# Altium PCB BMS-P00-V02.PcbDoc
Units mil, origin at the board's own origin, x right, y up, seen from the top; angles counter-clockwise.
Board outline 2629.92 x 5608.27 mil, 2 copper layers (Top Layer, Bottom Layer); 233 components, 131 nets, 740 pads, 0 vias.
Unrouted connection lines stored in the file: 455.
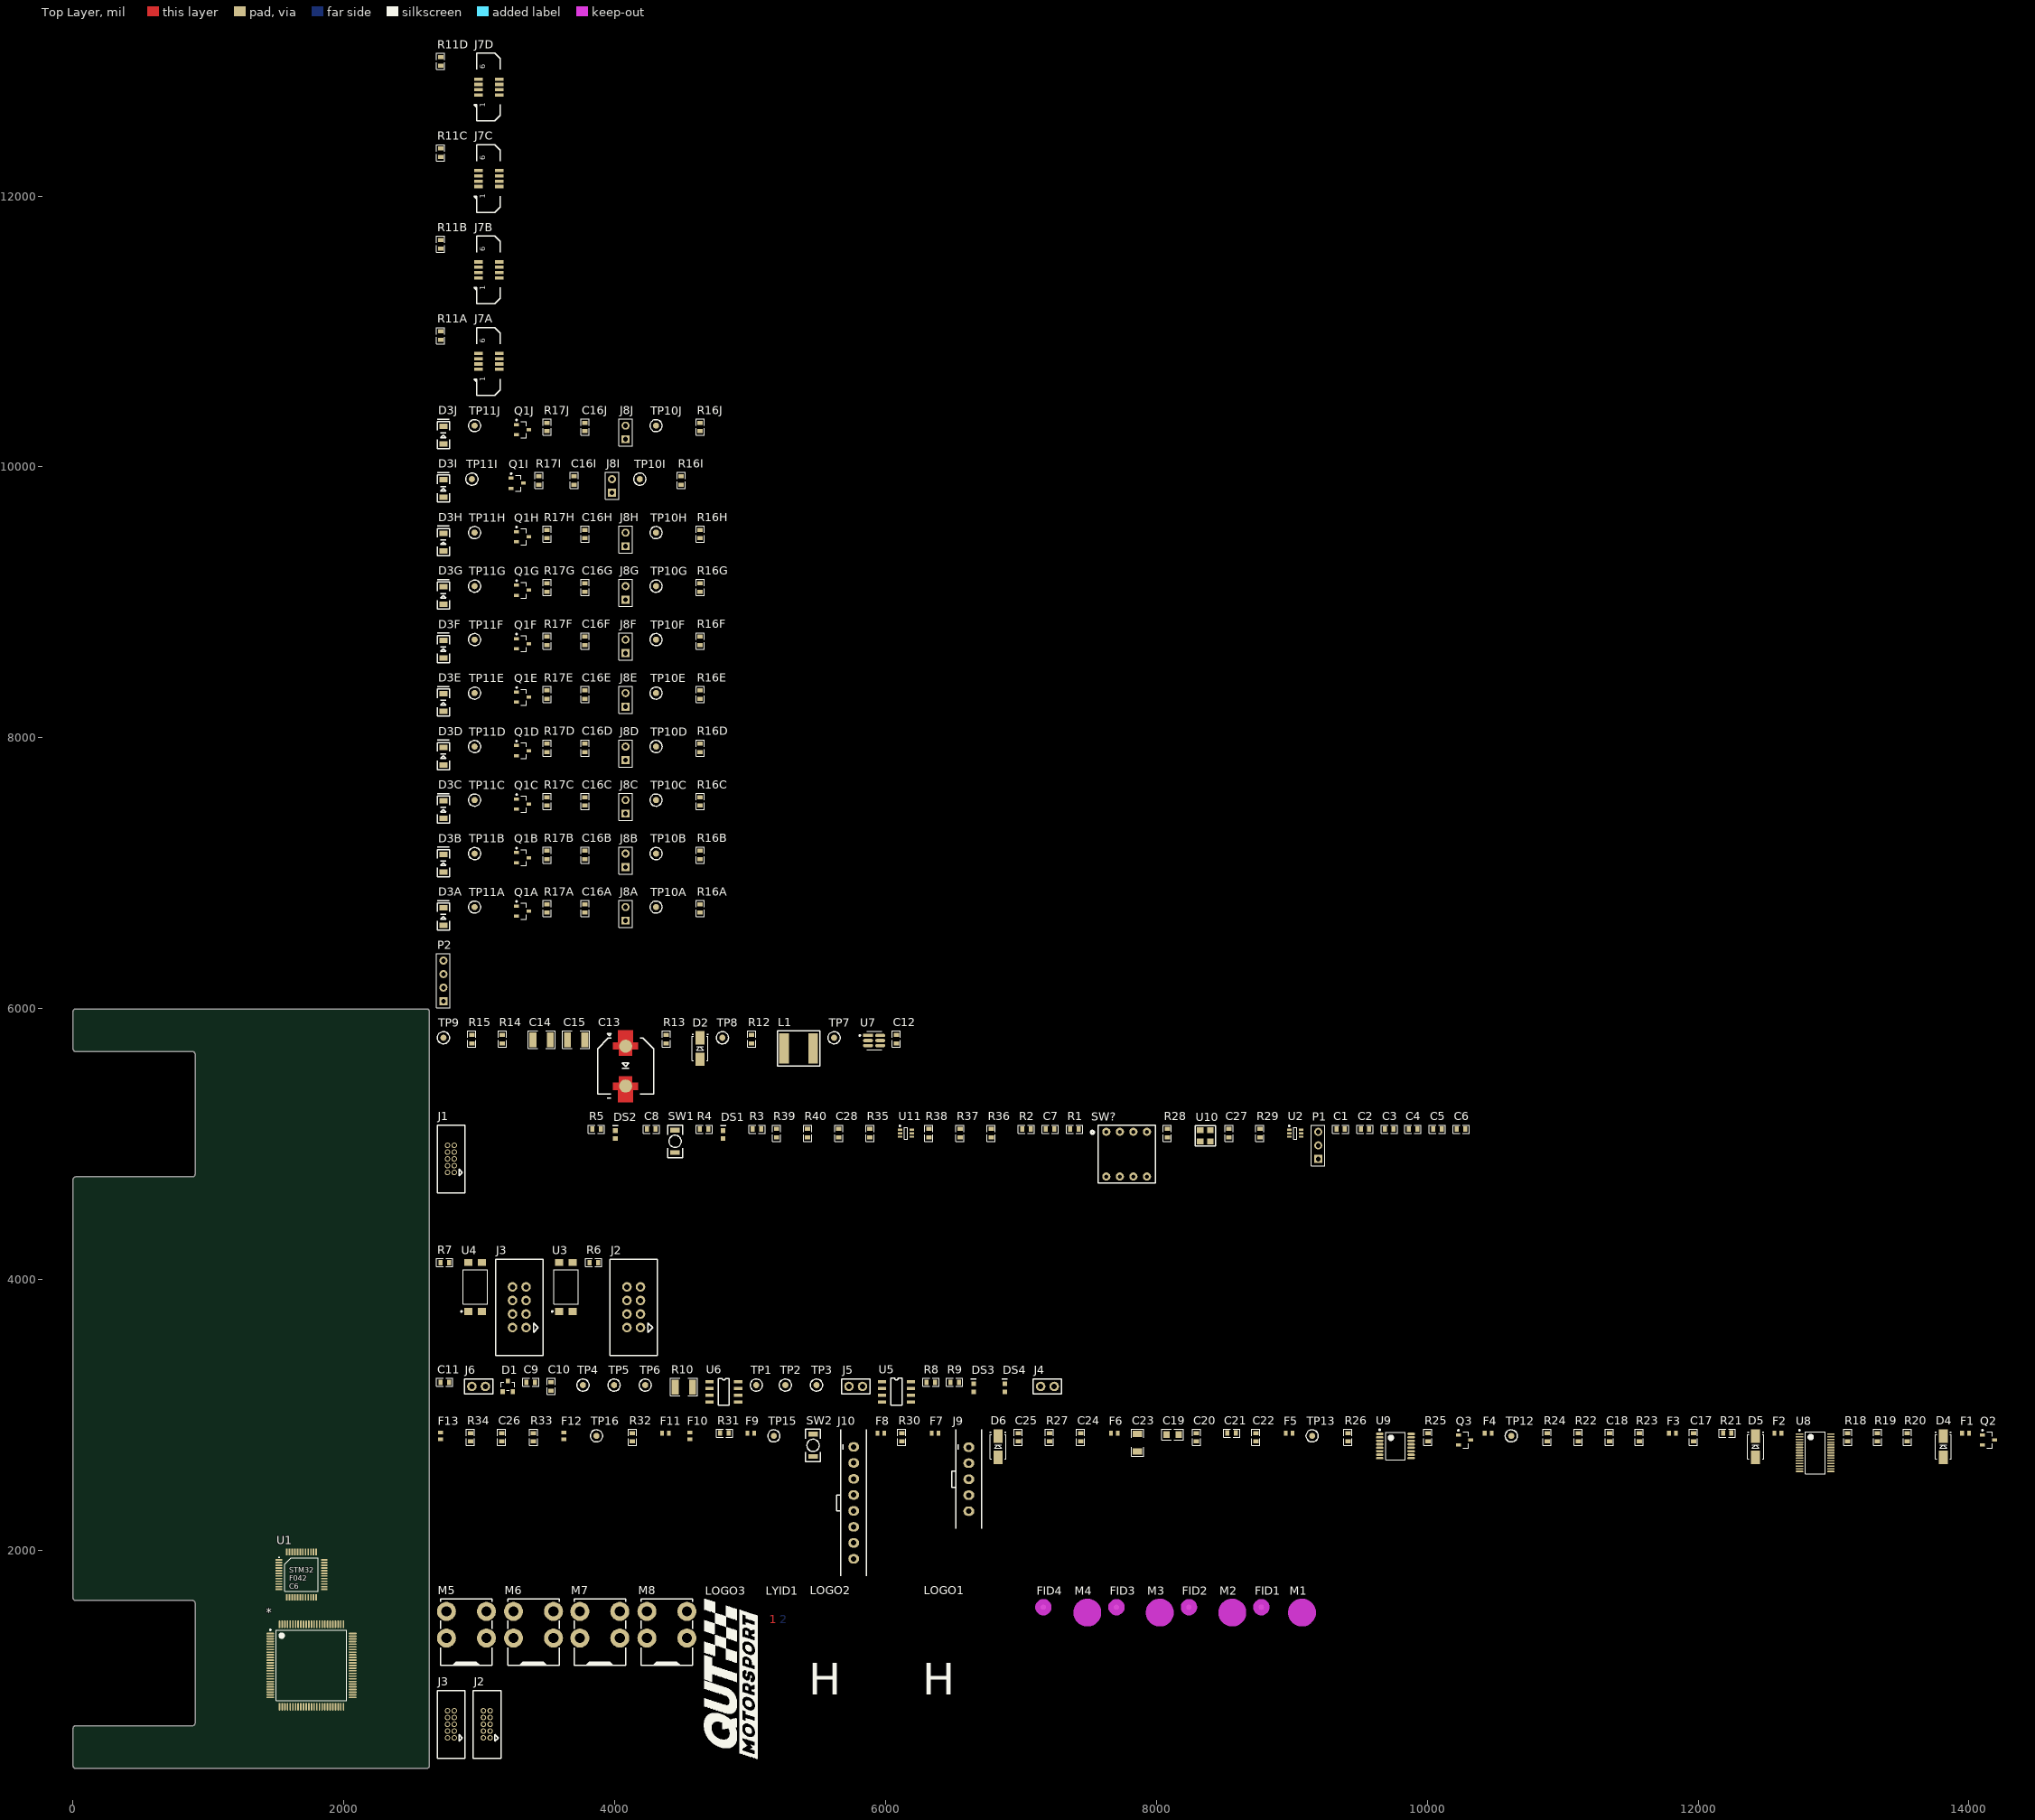
[diagram p0: Top Layer view]
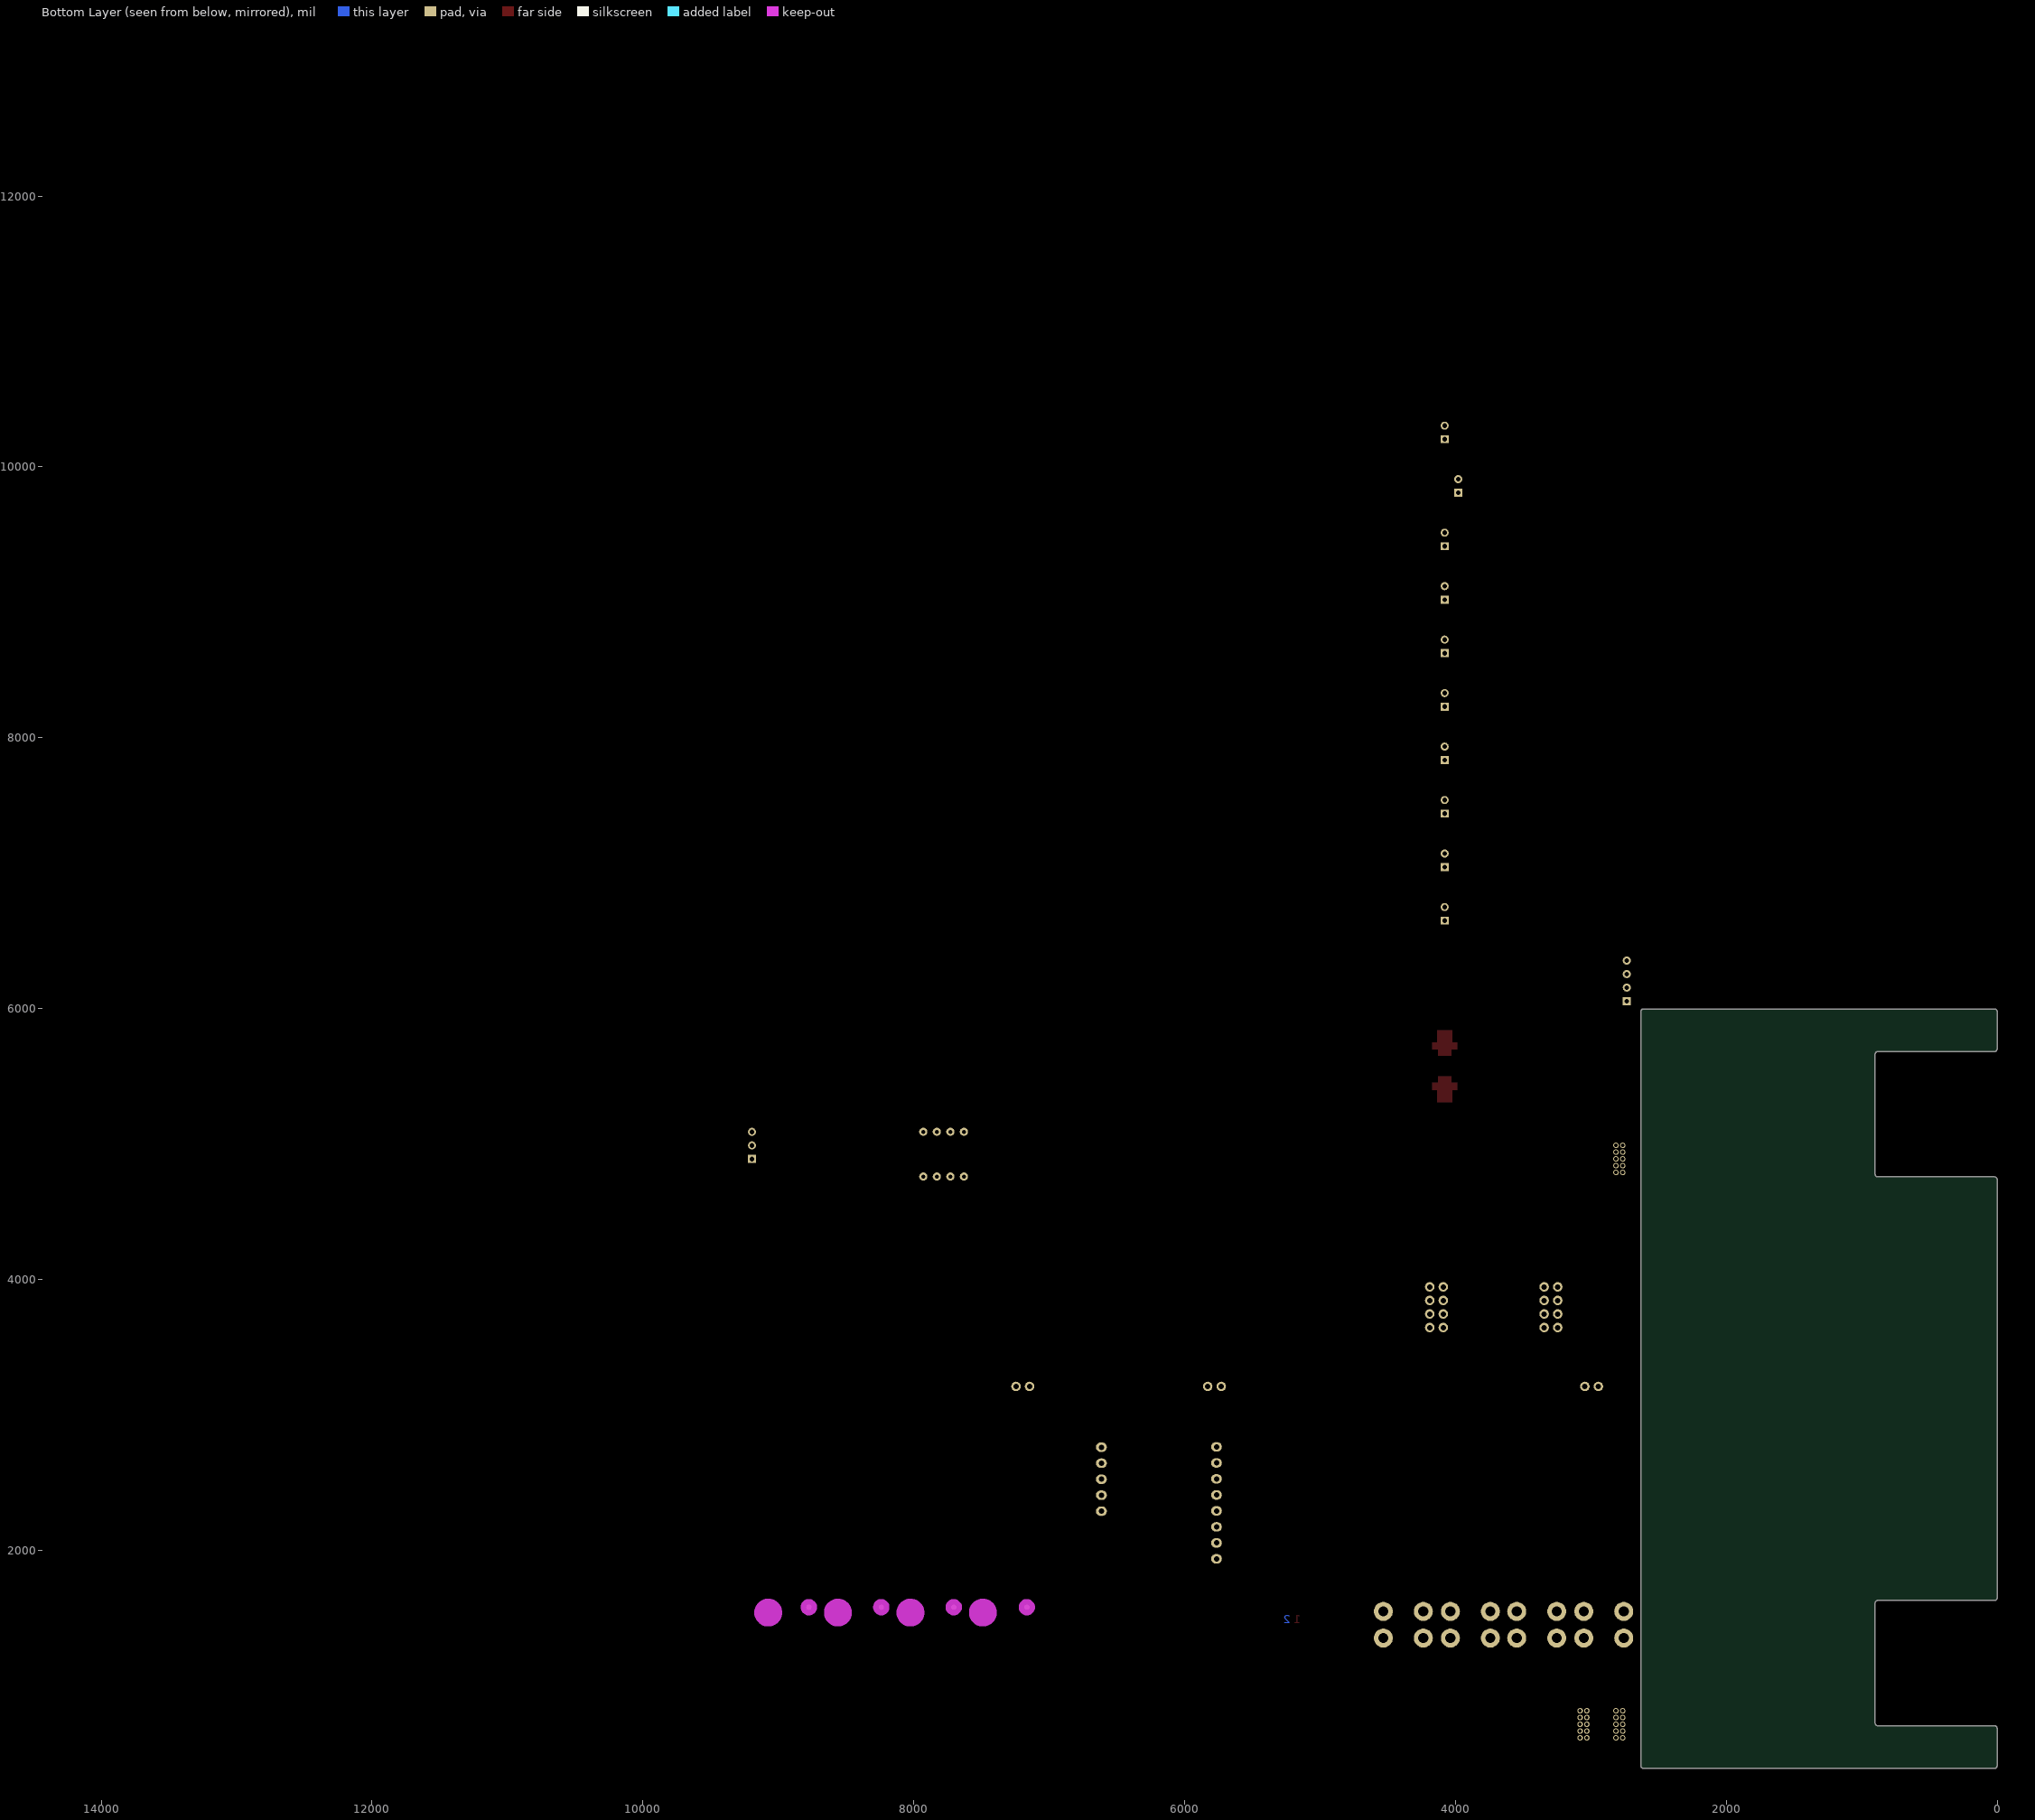
[diagram p1: Bottom Layer view, seen from below]

## Layer stack, top to bottom
Top Solder: solder mask 0.4, Solder Resist, Dk 3.5
Top Layer: signal copper 1.4
Dielectric 1: dielectric 12.6, FR-4, Dk 4.8
Bottom Layer: signal copper 1.4
Bottom Solder: solder mask 0.4, Solder Resist, Dk 3.5

## Board outline
20.18,389.5 cw(c20.18,409.19) 0.5,409.19 0.5,684.78 cw(c20.18,684.78) 20.18,704.46 881.75,704.46 ccw(c881.75,724.15) 901.44,724.15 901.44,1609.98 ccw(c881.75,1609.98) 881.75,1629.66 20.18,1629.66 cw(c20.18,1649.35) 0.5,1649.35 0.5,4737.93 cw(c20.18,4737.93) 20.18,4757.61 881.75,4757.61 ccw(c881.75,4777.3) 901.44,4777.3 901.44,5663.13 ccw(c881.75,5663.13) 881.75,5682.81 20.18,5682.81 cw(c20.18,5702.5) 0.5,5702.5 0.5,5978.09 cw(c20.18,5978.09) 20.18,5997.77 2610.74,5997.77 cw(c2610.74,5978.09) 2630.42,5978.09 2630.42,409.19 cw(c2610.74,409.19) 2610.74,389.5

## Design rules (kind name [scope] priority, off if disabled: settings)
Clearance [All] p1: gap=10 ignorepadtopadclearanceinfootprint=FALSE except(0: Arc-Hole Track-Hole SMDPad-Hole THPad-Hole Via-Hole Fill-Hole Poly-Hole Region-Hole Text-Hole)
PolygonConnect [All] p1: connectstyle=Relief reliefconductorwidth=10 reliefentries=4 polygonreliefangle="90 Angle" airgapwidth=10
RoutingVias [All] p1: holewidth=28 width=50 viastyle="Through Hole" minholewidth=28 minwidth=50 maxholewidth=28 maxwidth=50
SolderMaskExpansion [All] p1: expansion=4 istentingtop=FALSE
Width "Schematic Width Constraint_9" [InNet('NetJ8J_2')] p1: maxlimit=30 minlimit=15 preferedwidth=20 minimp=50.000000 maximp=50.000000 favimp=50.000000
Width "Schematic Width Constraint_8" [InNet('NetJ8H_2')] p2: maxlimit=30 minlimit=15 preferedwidth=20 minimp=50.000000 maximp=50.000000 favimp=50.000000
Width "Schematic Width Constraint_7" [InNet('NetJ8F_2')] p3: maxlimit=30 minlimit=15 preferedwidth=20 minimp=50.000000 maximp=50.000000 favimp=50.000000
Width "Schematic Width Constraint_6" [InNet('NetJ8I_2')] p4: maxlimit=30 minlimit=15 preferedwidth=20 minimp=50.000000 maximp=50.000000 favimp=50.000000
Width "Schematic Width Constraint_5" [InNet('NetJ8D_2')] p5: maxlimit=30 minlimit=15 preferedwidth=20 minimp=50.000000 maximp=50.000000 favimp=50.000000
Width "Schematic Width Constraint_4" [InNet('NetJ8G_2')] p6: maxlimit=30 minlimit=15 preferedwidth=20 minimp=50.000000 maximp=50.000000 favimp=50.000000
Width "Schematic Width Constraint_3" [InNet('NetJ8B_2')] p7: maxlimit=30 minlimit=15 preferedwidth=20 minimp=50.000000 maximp=50.000000 favimp=50.000000
Width "Schematic Width Constraint_2" [InNet('NetJ8E_2')] p8: maxlimit=30 minlimit=15 preferedwidth=20 minimp=50.000000 maximp=50.000000 favimp=50.000000
Width "Schematic Width Constraint_1" [InNet('NetJ8C_2')] p9: maxlimit=30 minlimit=15 preferedwidth=20 minimp=50.000000 maximp=50.000000 favimp=50.000000
Width "Schematic Width Constraint" [InNet('NetJ8A_2')] p10: maxlimit=30 minlimit=15 preferedwidth=20 minimp=50.000000 maximp=50.000000 favimp=50.000000
Width [All] p11: maxlimit=10 minlimit=10 preferedwidth=10
30 further rules are at their usual default settings.

## Classes and differential pairs
channel class BMS-S09-V01-TemperatureSensors: FlexPCBTempSensors1 FlexPCBTempSensors2 FlexPCBTempSensors3 FlexPCBTempSensors4
channel class BMS-S03-V01-CellInterface: "CELL 1 INTERFACE" "CELL 2 INTERFACE" "CELL 3 INTERFACE" "CELL 4 INTERFACE" "CELL 5 INTERFACE" "CELL 6 INTERFACE" "CELL 7 INTERFACE" "CELL 8 INTERFACE" "CELL 9 INTERFACE" "CELL 10 INTERFACE"
net class TEMP[1..4]: TEMP1 TEMP2 TEMP3 TEMP4
component class "Temperature Sensor Interface": P2
component class PSU: C12 C13 C14 C15 D2 L1 R12 R13 R14 R15 TP7 TP8 TP9 U7
component class Microcontroller: C1 C2 C3 C4 C5 C6 C7 C8 C27 C28 DS1 DS2 J1 J2 J3 P1 R1 R2 R3 R4 R5 R28 R29 R35 R36 R37 R38 R39 R40 SW1 SW? U1 U2 U10 U11
component class Isolation: J2 J3 R6 R7 U3 U4
component class "Isolated CAN": C9 C10 C11 D1 DS3 DS4 J4 J5 J6 R8 R9 R10 TP1 TP2 TP3 TP4 TP5 TP6 U5 U6
component class FlexPCBTempSensors4: J7D R11D
component class FlexPCBTempSensors3: J7C R11C
component class FlexPCBTempSensors2: J7B R11B
component class FlexPCBTempSensors1: J7A R11A
component class "Cell Monitor": C17 C18 C19 C20 C21 C22 C23 C24 C25 C26 D4 D5 D6 F1 F2 F3 F4 F5 F6 F7 F8 F9 F10 F11 F12 F13 J9 J10 Q2 Q3 R18 R19 R20 R21 R22 R23 R24 R25 R26 R27 R30 R31 R32 R33 R34 SW2 TP12 TP13 TP15 TP16 U8 U9
component class "CELL 10 INTERFACE": C16J D3J J8J Q1J R16J R17J TP10J TP11J
component class "CELL 9 INTERFACE": C16I D3I J8I Q1I R16I R17I TP10I TP11I
component class "CELL 8 INTERFACE": C16H D3H J8H Q1H R16H R17H TP10H TP11H
component class "CELL 7 INTERFACE": C16G D3G J8G Q1G R16G R17G TP10G TP11G
component class "CELL 6 INTERFACE": C16F D3F J8F Q1F R16F R17F TP10F TP11F
component class "CELL 5 INTERFACE": C16E D3E J8E Q1E R16E R17E TP10E TP11E
component class "CELL 4 INTERFACE": C16D D3D J8D Q1D R16D R17D TP10D TP11D
component class "CELL 3 INTERFACE": C16C D3C J8C Q1C R16C R17C TP10C TP11C
component class "CELL 2 INTERFACE": C16B D3B J8B Q1B R16B R17B TP10B TP11B
component class "CELL 1 INTERFACE": C16A D3A J8A Q1A R16A R17A TP10A TP11A
component class BMS-S01-V01-BatteryManagementSystem: * FID1 FID2 FID3 FID4 LOGO1 LOGO2 LOGO3 LYID1 M1 M2 M3 M4 M5 M6 M7 M8

## Components (designator, comment, footprint, x,y, rotation, side; value= is the part's Value field where it differs from the comment)
* "MCU STM32F372V8T6 (100pin)" LQFP(100) 1760.87,1149.37 r0 top
C1 "100nF" Cap_Ceramic_0603 9360,5110 r0 top
C2 "4u7" Cap_Ceramic_0603 9540,5110 r0 top
C3 "100nF" Cap_Ceramic_0603 9720,5110 r0 top
C4 "4u7" Cap_Ceramic_0603 9895,5110 r0 top
C5 "100nF" Cap_Ceramic_0603 10075,5110 r0 top
C6 "4u7" Cap_Ceramic_0603 10250,5110 r0 top
C7 "100nF" Cap_Ceramic_0603 7215,5110 r0 top
C8 "100nF" Cap_Ceramic_0603 4270,5110 r0 top
C9 "100nF" Cap_Ceramic_0603 3380,3240 r0 top
C10 "100nF" Cap_Ceramic_0603 3530,3210 r90 top
C11 "100nF" Cap_Ceramic_0603 2745,3240 r0 top
C12 "100nF 100V" Cap_Ceramic_0603 6080,5775 r90 top
C13 "47uF 80V 10% AluPoly 10x10mm" CAP_ALU_10x10mm 4080,5575 r90 top
C14 "47uF 16V" Cap_Ceramic_1210 3460,5770 r0 top
C15 "47uF 16V" Cap_Ceramic_1210 3715,5770 r0 top
C16A "220nF" Cap_Ceramic_0603 3780,6740 r90 top (schematic designator C16)
C16B "220nF" Cap_Ceramic_0603 3780,7135 r90 top (schematic designator C16)
C16C "220nF" Cap_Ceramic_0603 3780,7530 r90 top (schematic designator C16)
C16D "220nF" Cap_Ceramic_0603 3780,7925 r90 top (schematic designator C16)
C16E "220nF" Cap_Ceramic_0603 3780,8320 r90 top (schematic designator C16)
C16F "220nF" Cap_Ceramic_0603 3780,8715 r90 top (schematic designator C16)
C16G "220nF" Cap_Ceramic_0603 3780,9110 r90 top (schematic designator C16)
C16H "220nF" Cap_Ceramic_0603 3780,9505 r90 top (schematic designator C16)
C16I "220nF" Cap_Ceramic_0603 3700,9900 r90 top (schematic designator C16)
C16J "220nF" Cap_Ceramic_0603 3780,10295 r90 top (schematic designator C16)
C17 "220nF" Cap_Ceramic_0603 11965,2835 r90 top
C18 "1uF 25V" Cap_Ceramic_0603 11345,2835 r90 top
C19 "10uF 25V 0805" Cap_Ceramic_0805 8120,2855 r0 top
C20 "220nF" Cap_Ceramic_0603 8295,2835 r90 top
C21 "1uF 25V" Cap_Ceramic_0603 8555,2865 r0 top
C22 "470nF" Cap_Ceramic_0603 8735,2835 r90 top
C23 "10uF 25V 1206" Cap_Ceramic_1206 7860,2795 r90 top
C24 "1uF 25V" Cap_Ceramic_0603 7440,2835 r90 top
C25 "220nF" Cap_Ceramic_0603 6980,2835 r90 top
C26 "220nF" Cap_Ceramic_0603 3165,2835 r90 top
C27 "100nF" Cap_Ceramic_0603 8535,5080 r90 top
C28 "100nF" Cap_Ceramic_0603 5655,5080 r90 top
D1 "NUP2105L" NUP2105L 3210,3210 r0 top
D2 "B260A-13-F" SMA 4630,5705 r90 top
D3A "BZT52C5V6-7-F" SOD123 2735,6680 r90 top (schematic designator D3)
D3B "BZT52C5V6-7-F" SOD123 2735,7075 r90 top (schematic designator D3)
D3C "BZT52C5V6-7-F" SOD123 2735,7470 r90 top (schematic designator D3)
D3D "BZT52C5V6-7-F" SOD123 2735,7865 r90 top (schematic designator D3)
D3E "BZT52C5V6-7-F" SOD123 2735,8260 r90 top (schematic designator D3)
D3F "BZT52C5V6-7-F" SOD123 2735,8655 r90 top (schematic designator D3)
D3G "BZT52C5V6-7-F" SOD123 2735,9050 r90 top (schematic designator D3)
D3H "BZT52C5V6-7-F" SOD123 2735,9445 r90 top (schematic designator D3)
D3I "BZT52C5V6-7-F" SOD123 2735,9840 r90 top (schematic designator D3)
D3J "BZT52C5V6-7-F" SOD123 2735,10235 r90 top (schematic designator D3)
D4 "1N4448WQ-7-F" SMA 13810,2765 r90 top
D5 "1N4448WQ-7-F" SMA 12425,2765 r90 top
D6 "1N4448WQ-7-F" SMA 6830,2765 r90 top
DS1 "LED Orange" "LED ORANGE 0603" 4800,5070 r90 top
DS2 "LED Orange" "LED ORANGE 0603" 4005,5070 r90 top
DS3 "LED Blue 0603" "LED BLUE 0603" 6650,3200 r90 top
DS4 "LED Blue 0603" "LED BLUE 0603" 6880,3200 r90 top
F1 "3412.0124.22" 3412.0124.22 13975,2865 r0 top
F2 "3412.0124.22" 3412.0124.22 12590,2865 r0 top
F3 "3412.0124.22" 3412.0124.22 11810,2865 r0 top
F4 "3412.0124.22" 3412.0124.22 10450,2865 r0 top
F5 "3412.0124.22" 3412.0124.22 8980,2865 r0 top
F6 "3412.0124.22" 3412.0124.22 7690,2865 r0 top
F7 "3412.0124.22" 3412.0124.22 6365,2865 r0 top
F8 "3412.0124.22" 3412.0124.22 5965,2865 r0 top
F9 "3412.0124.22" 3412.0124.22 5005,2865 r0 top
F10 "3412.0124.22" 3412.0124.22 4555,2845 r90 top
F11 "3412.0124.22" 3412.0124.22 4375,2865 r0 top
F12 "3412.0124.22" 3412.0124.22 3625,2845 r90 top
F13 "3412.0124.22" 3412.0124.22 2715,2845 r90 top
FID1 "Fiducial 1MM" "FIDUCIAL 1MM" 8775,1580 r0 top
FID2 "Fiducial 1MM" "FIDUCIAL 1MM" 8240,1580 r90 top
FID3 "Fiducial 1MM" "FIDUCIAL 1MM" 7705,1580 r90 top
FID4 "Fiducial 1MM" "FIDUCIAL 1MM" 7165,1580 r90 top
J1 "IDC 10P 2x5 1.27mm" "IDC 1.27MM 10P" 2790,4890 r90 top
J2 "IDC 10P 2x5 1.27mm" "IDC 1.27MM 10P" 3055,715 r90 top
J2 "IDC 8P 2x4" "IDC 2.54MM 8P" 4140,3795 r90 top
J3 "IDC 10P 2x5 1.27mm" "IDC 1.27MM 10P" 2790,715 r90 top
J3 "IDC 8P 2x4" "IDC 2.54MM 8P" 3295,3795 r90 top
J4 "Jumper 2Way Pins" Jumper_2Way_Pin 7245,3210 r0 top
J5 "Jumper 2Way Pins" Jumper_2Way_Pin 5830,3210 r0 top
J6 "Jumper 2Way Pins" Jumper_2Way_Pin 3045,3210 r0 top
J7A "0526100672" 526100672 3070,10780 r90 top (schematic designator J7)
J7B "0526100672" 526100672 3070,11455 r90 top (schematic designator J7)
J7C "0526100672" 526100672 3070,12130 r90 top (schematic designator J7)
J7D "0526100672" 526100672 3070,12805 r90 top (schematic designator J7)
J8A "Bleed Header" HDR1X2 4080,6650 r90 top (schematic designator J8)
J8B "Bleed Header" HDR1X2 4080,7045 r90 top (schematic designator J8)
J8C "Bleed Header" HDR1X2 4080,7440 r90 top (schematic designator J8)
J8D "Bleed Header" HDR1X2 4080,7835 r90 top (schematic designator J8)
J8E "Bleed Header" HDR1X2 4080,8230 r90 top (schematic designator J8)
J8F "Bleed Header" HDR1X2 4080,8625 r90 top (schematic designator J8)
J8G "Bleed Header" HDR1X2 4080,9020 r90 top (schematic designator J8)
J8H "Bleed Header" HDR1X2 4080,9415 r90 top (schematic designator J8)
J8I "Bleed Header" HDR1X2 3980,9810 r90 top (schematic designator J8)
J8J "Bleed Header" HDR1X2 4080,10205 r90 top (schematic designator J8)
J9 "436500519" Microfit_1X5_V_TH 6615,2525 r90 top
J10 "436500819" Microfit_1X8_V_TH 5765,2350 r90 top
L1 "74404064221" Inductor_6x6mm 5355,5705 r0 top
LOGO1 "LBL High Voltage M" "LBL HV MEDIUM" 6665,1250 r0 top
LOGO2 "LBL High Voltage M" "LBL HV MEDIUM" 5825,1250 r0 top
LOGO3 "30mm Wide QUTMS Logo" "QUTMS LOGO 30MM" 5055,460 r90 top
LYID1 "2 Layer Identification PCB Marker" "LAYER IDENT 2" 5195,1490 r0 top
M1 "Hole M3 Tight Unplated" "M3.2 UNPLATED" 9075,1540 r0 top
M2 "Hole M3 Tight Unplated" "M3.2 UNPLATED" 8560,1540 r0 top
M3 "Hole M3 Tight Unplated" "M3.2 UNPLATED" 8025,1540 r0 top
M4 "Hole M3 Tight Unplated" "M3.2 UNPLATED" 7490,1540 r0 top
M5 "7695-2" "Keystone 7790" 2905,1450 r0 top
M6 "7695-2" "Keystone 7790" 3400,1450 r0 top
M7 "7695-2" "Keystone 7790" 3890,1450 r0 top
M8 "7695-2" "Keystone 7790" 4385,1450 r0 top
P1 "UART" HDR1X3 9195,4890 r90 top
P2 "Header 4" HDR1X4 2735,6055 r90 top
Q1A "MOSFET N" PMV15UNEAR 3320,6720 r0 top (schematic designator Q1)
Q1B "MOSFET N" PMV15UNEAR 3320,7115 r0 top (schematic designator Q1)
Q1C "MOSFET N" PMV15UNEAR 3320,7510 r0 top (schematic designator Q1)
Q1D "MOSFET N" PMV15UNEAR 3320,7905 r0 top (schematic designator Q1)
Q1E "MOSFET N" PMV15UNEAR 3320,8300 r0 top (schematic designator Q1)
Q1F "MOSFET N" PMV15UNEAR 3320,8695 r0 top (schematic designator Q1)
Q1G "MOSFET N" PMV15UNEAR 3320,9090 r0 top (schematic designator Q1)
Q1H "MOSFET N" PMV15UNEAR 3320,9485 r0 top (schematic designator Q1)
Q1I "MOSFET N" PMV15UNEAR 3280,9880 r0 top (schematic designator Q1)
Q1J "MOSFET N" PMV15UNEAR 3320,10275 r0 top (schematic designator Q1)
Q2 "BST82,215" BST82,215 14145,2815 r0 top
Q3 "BST82,215" BST82,215 10275,2815 r0 top
R1 "10k" Res_ThinFilm_0603 7395,5110 r0 top
R2 "10k" Res_ThinFilm_0603 7040,5110 r0 top
R3 "4k7" Res_ThinFilm_0603 5050,5110 r0 top
R4 "330R" Res_ThinFilm_0603 4660,5110 r0 top
R5 "330R" Res_ThinFilm_0603 3865,5110 r0 top
R6 "100R" Res_ThinFilm_0603 3845,4125 r0 top
R7 "150R" Res_ThinFilm_0603 2745,4125 r0 top
R8 "330R" Res_ThinFilm_0603 6335,3240 r0 top